# Altium PCB Minion.PcbDoc (part 5 of 10)
Units mm, origin at the board's own origin, x right, y up, seen from the top; angles counter-clockwise.
Board outline 250 x 250 mm, 4 copper layers (Top Layer, Mid-Top Layer, Mid-Bottom Layer, Bottom Layer); 557 components, 153 nets, 5229 pads, 7984 vias.
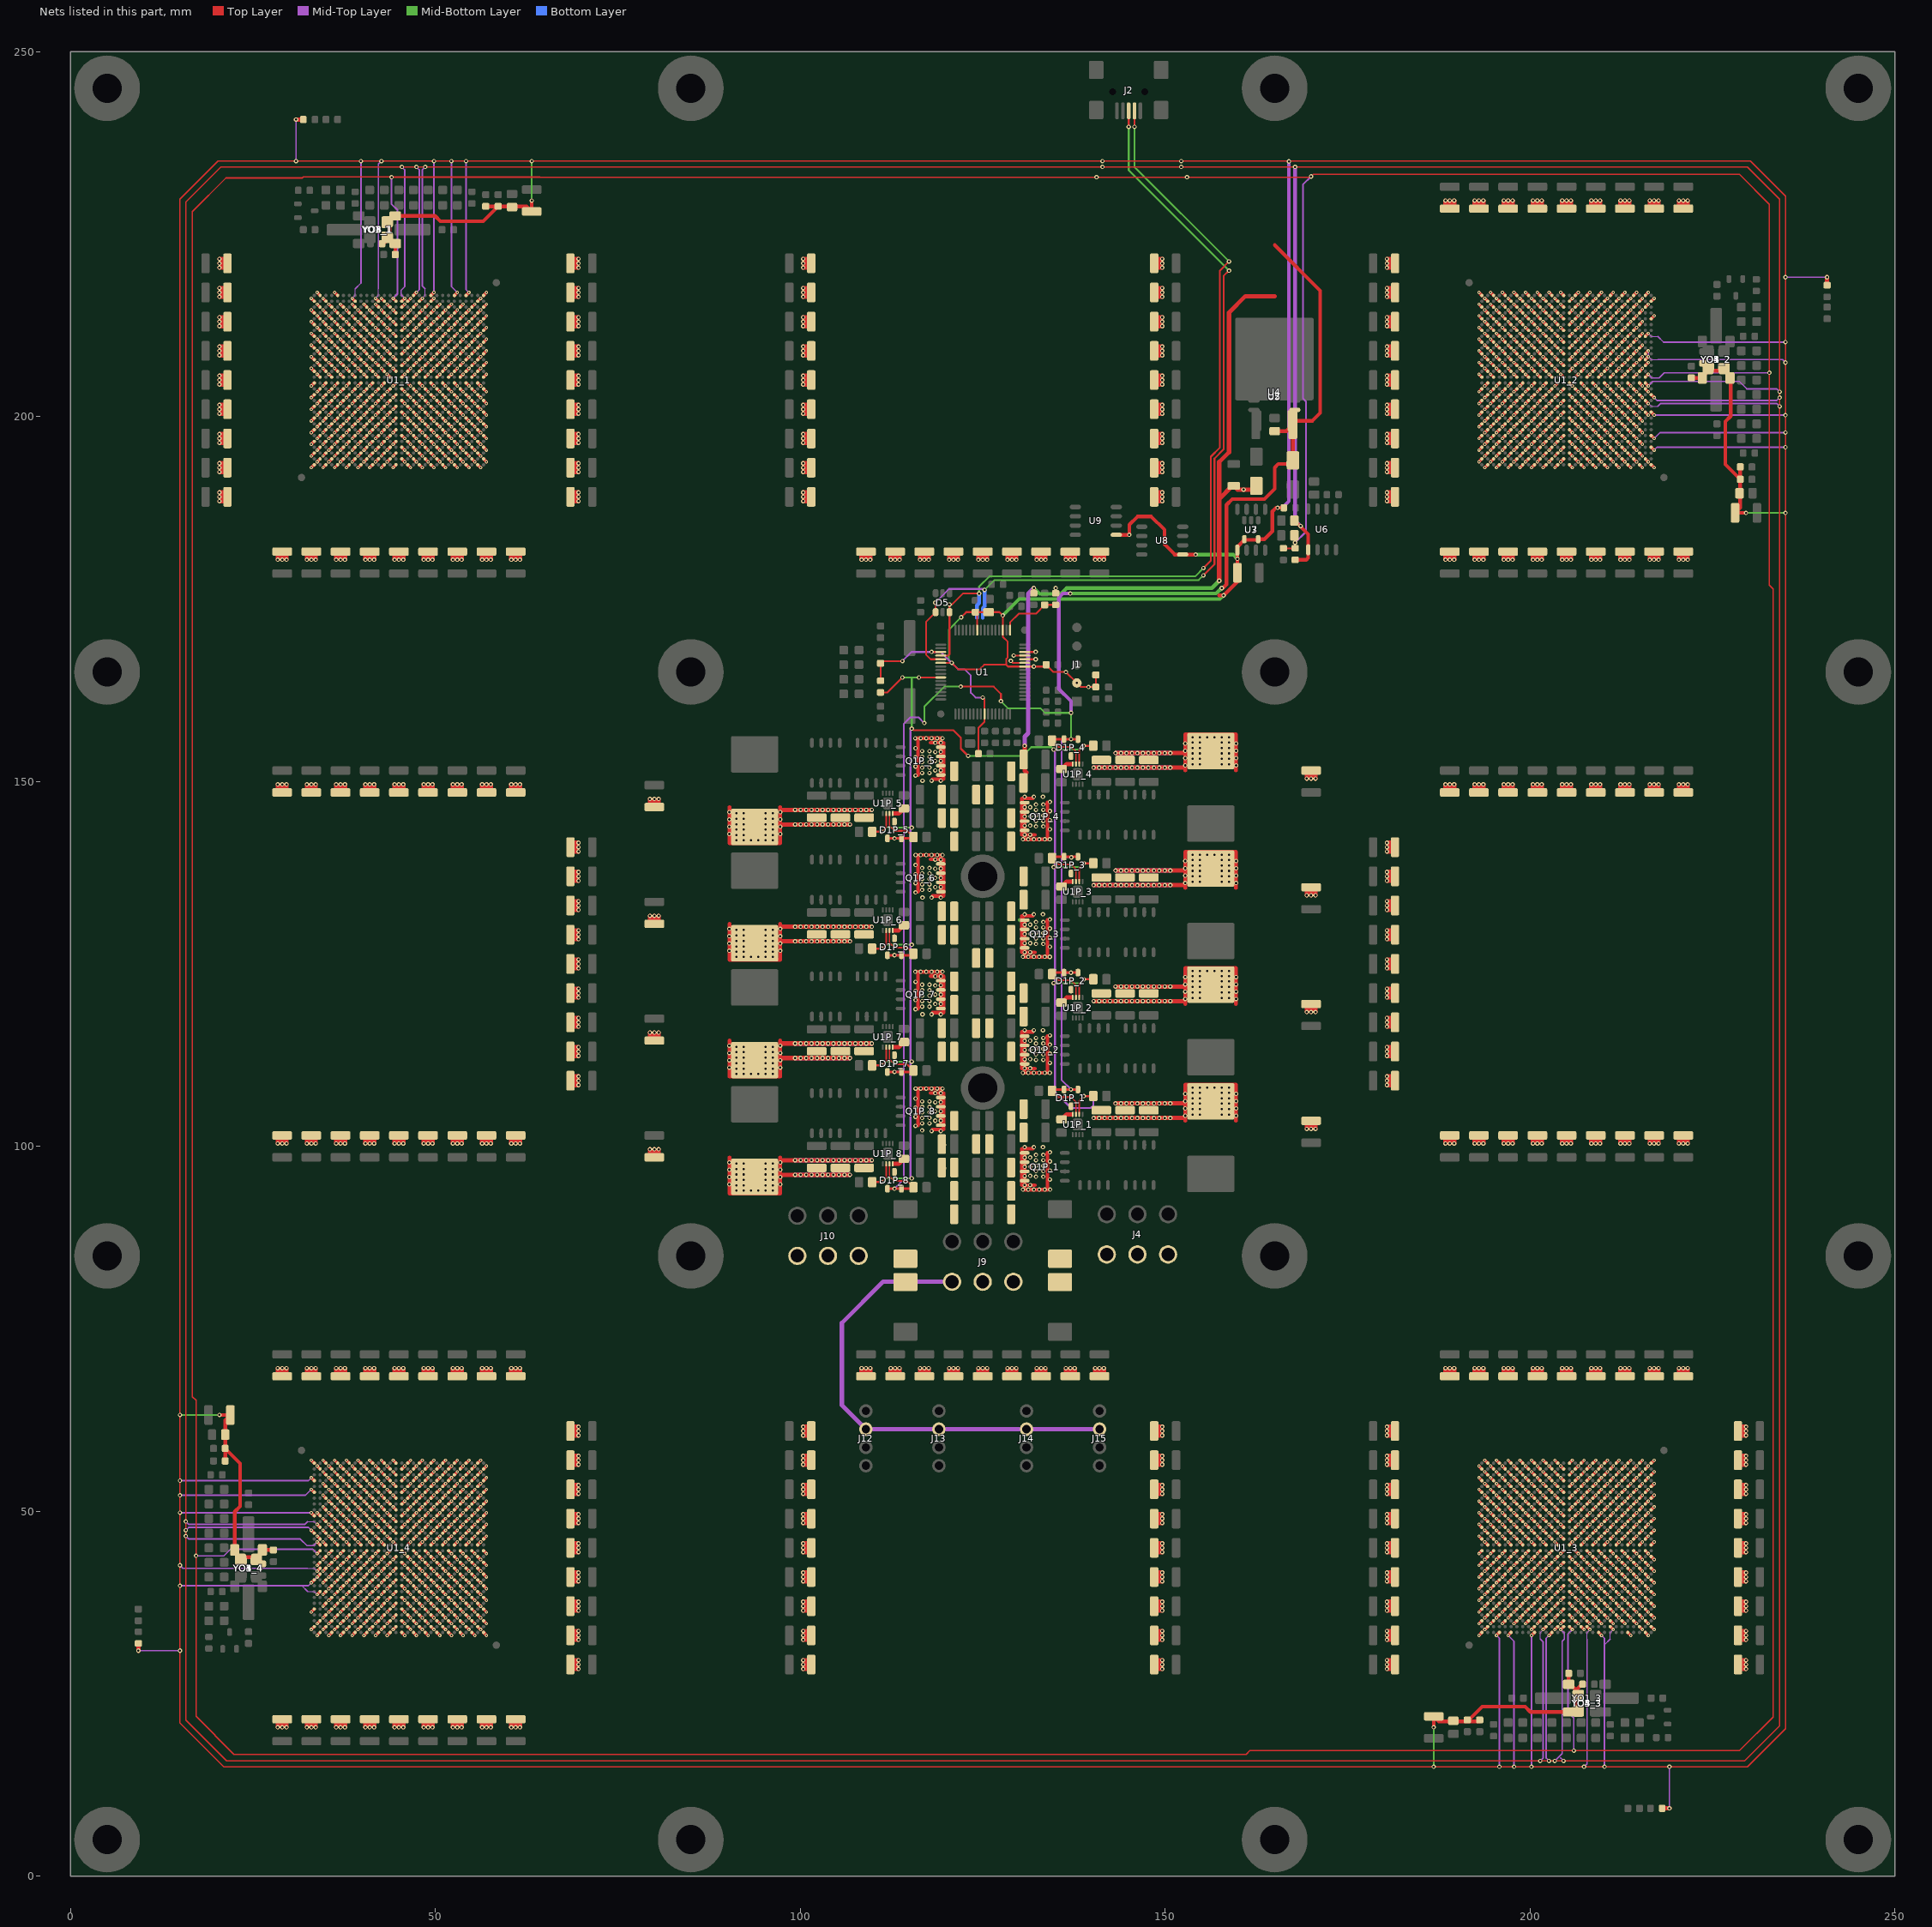
[diagram p7: the nets of this part, all layers, seen from the top]

## Via types
v1: diameter 0.6, hole 0.3, Top Layer to Bottom Layer, tented both sides, 4384 vias
v2: diameter 0.45, hole 0.2, Top Layer to Bottom Layer, tented both sides, 3600 vias

## Nets (pads, with @x,y where several pads share a name; then routed paths per layer and width w, separated by ;. In a path a pad name is that pad's centre, name@x,y a point inside that pad or via, vN(x,y) a via of type N, cw(c..) or ccw(c..) an arc to the next point about the centre after c; other vN are vias at no path point) (continued)
0.8V: (continued)
  other v2: 33.8,33 35.4,33 37,33 38.6,33 40.2,33 41.8,33 43.4,33 45.8,33 47.4,33 49,33 50.6,33 52.2,33 53.8,33 55.4,33 57,33 193,33 213.8,33 216.2,33 33,33.8 34.6,33.8 36.2,33.8 37.8,33.8 39.4,33.8 41,33.8 42.6,33.8 44.2,33.8 46.6,33.8 48.2,33.8 49.8,33.8 51.4,33.8 53,33.8 54.6,33.8 56.2,33.8 193.8,33.8 200.2,33.8 203.4,33.8 207.4,33.8 215.4,33.8 217,33.8 33.8,34.6 35.4,34.6 37,34.6 38.6,34.6 40.2,34.6 41.8,34.6 43.4,34.6 45.8,34.6 47.4,34.6 49,34.6 50.6,34.6 52.2,34.6 53.8,34.6 55.4,34.6 57,34.6 193,34.6 194.6,34.6 196.2,34.6 197.8,34.6 199.4,34.6 201,34.6 202.6,34.6 204.2,34.6 206.6,34.6 208.2,34.6 209.8,34.6 211.4,34.6 213,34.6 214.6,34.6 216.2,34.6 34.6,35.4 36.2,35.4 37.8,35.4 39.4,35.4 41,35.4 42.6,35.4 44.2,35.4 46.6,35.4 48.2,35.4 49.8,35.4 51.4,35.4 53,35.4 54.6,35.4 56.2,35.4 193.8,35.4 195.4,35.4 197,35.4 198.6,35.4 200.2,35.4 201.8,35.4 203.4,35.4 205.8,35.4 207.4,35.4 209,35.4 210.6,35.4 212.2,35.4 213.8,35.4 215.4,35.4 217,35.4 33,36.2 35.4,36.2 37,36.2 38.6,36.2 40.2,36.2 41.8,36.2 43.4,36.2 45.8,36.2 47.4,36.2 49,36.2 50.6,36.2 52.2,36.2 53.8,36.2 55.4,36.2 57,36.2 193,36.2 194.6,36.2 196.2,36.2 197.8,36.2 199.4,36.2 201,36.2 202.6,36.2 204.2,36.2 206.6,36.2 208.2,36.2 209.8,36.2 211.4,36.2 213,36.2 214.6,36.2 216.2,36.2 34.6,37 36.2,37 37.8,37 39.4,37 41,37 42.6,37 44.2,37 46.6,37 48.2,37 49.8,37 51.4,37 53,37 54.6,37 56.2,37 193.8,37 195.4,37 197,37 198.6,37 200.2,37 201.8,37 203.4,37 205.8,37 207.4,37 209,37 210.6,37 212.2,37 213.8,37 215.4,37 217,37 35.4,37.8 37,37.8 38.6,37.8 40.2,37.8 41.8,37.8 43.4,37.8 45.8,37.8 47.4,37.8 49,37.8 50.6,37.8 52.2,37.8 53.8,37.8 55.4,37.8 57,37.8 193,37.8 194.6,37.8 196.2,37.8 197.8,37.8 199.4,37.8 201,37.8 202.6,37.8 204.2,37.8 206.6,37.8 208.2,37.8 209.8,37.8 211.4,37.8 213,37.8 214.6,37.8 216.2,37.8 34.6,38.6 36.2,38.6 37.8,38.6 39.4,38.6 41,38.6 42.6,38.6 44.2,38.6 46.6,38.6 48.2,38.6 49.8,38.6 51.4,38.6 53,38.6 54.6,38.6 56.2,38.6 193.8,38.6 195.4,38.6 197,38.6 198.6,38.6 200.2,38.6 201.8,38.6 203.4,38.6 205.8,38.6 207.4,38.6 209,38.6 210.6,38.6 212.2,38.6 213.8,38.6 215.4,38.6 217,38.6 35.4,39.4 37,39.4 38.6,39.4 40.2,39.4 41.8,39.4 43.4,39.4 45.8,39.4 47.4,39.4 49,39.4 50.6,39.4 52.2,39.4 53.8,39.4 55.4,39.4 57,39.4 193,39.4 194.6,39.4 196.2,39.4 197.8,39.4 199.4,39.4 201,39.4 202.6,39.4 204.2,39.4 206.6,39.4 208.2,39.4 209.8,39.4 211.4,39.4 213,39.4 214.6,39.4 216.2,39.4 34.6,40.2 36.2,40.2 37.8,40.2 39.4,40.2 41,40.2 42.6,40.2 44.2,40.2 46.6,40.2 48.2,40.2 49.8,40.2 51.4,40.2 53,40.2 54.6,40.2 56.2,40.2 193.8,40.2 195.4,40.2 197,40.2 198.6,40.2 200.2,40.2 201.8,40.2 203.4,40.2 205.8,40.2 207.4,40.2 209,40.2 210.6,40.2 212.2,40.2 213.8,40.2 215.4,40.2 217,40.2 35.4,41 37,41 38.6,41 40.2,41 41.8,41 43.4,41 45.8,41 47.4,41 49,41 50.6,41 52.2,41 53.8,41 55.4,41 57,41 193,41 194.6,41 196.2,41 197.8,41 199.4,41 201,41 202.6,41 204.2,41 206.6,41 208.2,41 209.8,41 211.4,41 213,41 214.6,41 216.2,41 34.6,41.8 36.2,41.8 37.8,41.8 39.4,41.8 41,41.8 42.6,41.8 44.2,41.8 46.6,41.8 48.2,41.8 49.8,41.8 51.4,41.8 53,41.8 54.6,41.8 56.2,41.8 193.8,41.8 195.4,41.8 197,41.8 198.6,41.8 200.2,41.8 201.8,41.8 203.4,41.8 205.8,41.8 207.4,41.8 209,41.8 210.6,41.8 212.2,41.8 213.8,41.8 215.4,41.8 217,41.8 33.8,42.6 35.4,42.6 37,42.6 38.6,42.6 40.2,42.6 41.8,42.6 43.4,42.6 45.8,42.6 47.4,42.6 49,42.6 50.6,42.6 52.2,42.6 53.8,42.6 55.4,42.6 57,42.6 193,42.6 194.6,42.6 196.2,42.6 197.8,42.6 199.4,42.6 201,42.6 202.6,42.6 204.2,42.6 206.6,42.6 208.2,42.6 209.8,42.6 211.4,42.6 213,42.6 214.6,42.6 216.2,42.6 34.6,43.4 36.2,43.4 37.8,43.4 39.4,43.4 41,43.4 42.6,43.4 44.2,43.4 46.6,43.4 48.2,43.4 49.8,43.4 51.4,43.4 53,43.4 54.6,43.4 56.2,43.4 193.8,43.4 195.4,43.4 197,43.4 198.6,43.4 200.2,43.4 201.8,43.4 203.4,43.4 205.8,43.4 207.4,43.4 209,43.4 210.6,43.4 212.2,43.4 213.8,43.4 215.4,43.4 217,43.4 35.4,44.2 37,44.2 38.6,44.2 40.2,44.2 41.8,44.2 43.4,44.2 45.8,44.2 47.4,44.2 49,44.2 50.6,44.2 52.2,44.2 53.8,44.2 55.4,44.2 57,44.2 193,44.2 194.6,44.2 196.2,44.2 197.8,44.2 199.4,44.2 201,44.2 202.6,44.2 204.2,44.2 206.6,44.2 208.2,44.2 209.8,44.2 211.4,44.2 213,44.2 214.6,44.2 216.2,44.2 34.6,45.8 36.2,45.8 37.8,45.8 39.4,45.8 41,45.8 42.6,45.8 44.2,45.8 46.6,45.8 48.2,45.8 49.8,45.8 51.4,45.8 53,45.8 54.6,45.8 56.2,45.8 193.8,45.8 195.4,45.8 197,45.8 198.6,45.8 200.2,45.8 201.8,45.8 203.4,45.8 205.8,45.8 207.4,45.8 209,45.8 210.6,45.8 212.2,45.8 213.8,45.8 215.4,45.8 217,45.8 33.8,46.6 35.4,46.6 37,46.6 38.6,46.6 40.2,46.6 41.8,46.6 43.4,46.6 45.8,46.6 47.4,46.6 49,46.6 50.6,46.6 52.2,46.6 53.8,46.6 55.4,46.6 57,46.6 193,46.6 194.6,46.6 196.2,46.6 197.8,46.6 199.4,46.6 201,46.6 202.6,46.6 204.2,46.6 206.6,46.6 208.2,46.6 209.8,46.6 211.4,46.6 213,46.6 214.6,46.6 216.2,46.6 34.6,47.4 36.2,47.4 37.8,47.4 39.4,47.4 41,47.4 42.6,47.4 44.2,47.4 46.6,47.4 48.2,47.4 49.8,47.4 51.4,47.4 53,47.4 54.6,47.4 56.2,47.4 193.8,47.4 195.4,47.4 197,47.4 198.6,47.4 200.2,47.4 201.8,47.4 203.4,47.4 205.8,47.4 207.4,47.4 209,47.4 210.6,47.4 212.2,47.4 213.8,47.4 215.4,47.4 217,47.4 35.4,48.2 37,48.2 38.6,48.2 40.2,48.2 41.8,48.2 43.4,48.2 45.8,48.2 47.4,48.2 49,48.2 50.6,48.2 52.2,48.2 53.8,48.2 55.4,48.2 57,48.2 193,48.2 194.6,48.2 196.2,48.2 197.8,48.2 199.4,48.2 201,48.2 202.6,48.2 204.2,48.2 206.6,48.2 208.2,48.2 209.8,48.2 211.4,48.2 213,48.2 214.6,48.2 216.2,48.2 34.6,49 36.2,49 37.8,49 39.4,49 41,49 42.6,49 44.2,49 46.6,49 48.2,49 49.8,49 51.4,49 53,49 54.6,49 56.2,49 193.8,49 195.4,49 197,49 198.6,49 200.2,49 201.8,49 203.4,49 205.8,49 207.4,49 209,49 210.6,49 212.2,49 213.8,49 215.4,49 217,49 33.8,49.8 35.4,49.8 37,49.8 38.6,49.8 40.2,49.8 41.8,49.8 43.4,49.8 45.8,49.8 47.4,49.8 49,49.8 50.6,49.8 52.2,49.8 53.8,49.8 55.4,49.8 57,49.8 193,49.8 194.6,49.8 196.2,49.8 197.8,49.8 199.4,49.8 201,49.8 202.6,49.8 204.2,49.8 206.6,49.8 208.2,49.8 209.8,49.8 211.4,49.8 213,49.8 214.6,49.8 216.2,49.8 34.6,50.6 36.2,50.6 37.8,50.6 39.4,50.6 41,50.6 42.6,50.6 44.2,50.6 46.6,50.6 48.2,50.6 49.8,50.6 51.4,50.6 53,50.6 54.6,50.6 56.2,50.6 193.8,50.6 195.4,50.6 197,50.6 198.6,50.6 200.2,50.6 201.8,50.6 203.4,50.6 205.8,50.6 207.4,50.6 209,50.6 210.6,50.6 212.2,50.6 213.8,50.6 215.4,50.6 217,50.6 35.4,51.4 37,51.4 38.6,51.4 40.2,51.4 41.8,51.4 43.4,51.4 45.8,51.4 47.4,51.4 49,51.4 50.6,51.4 52.2,51.4 53.8,51.4 55.4,51.4 57,51.4 193,51.4 194.6,51.4 196.2,51.4 197.8,51.4 199.4,51.4 201,51.4 202.6,51.4 204.2,51.4 206.6,51.4 208.2,51.4 209.8,51.4 211.4,51.4 213,51.4 214.6,51.4 216.2,51.4 34.6,52.2 36.2,52.2 37.8,52.2 39.4,52.2 41,52.2 42.6,52.2 44.2,52.2 46.6,52.2 48.2,52.2 49.8,52.2 51.4,52.2 53,52.2 54.6,52.2 56.2,52.2 193.8,52.2 195.4,52.2 197,52.2 198.6,52.2 200.2,52.2 201.8,52.2 203.4,52.2 205.8,52.2 207.4,52.2 209,52.2 210.6,52.2 212.2,52.2 213.8,52.2 215.4,52.2 217,52.2 35.4,53 37,53 38.6,53 40.2,53 41.8,53 43.4,53 45.8,53 47.4,53 49,53 50.6,53 52.2,53 53.8,53 55.4,53 57,53 193,53 194.6,53 196.2,53 197.8,53 199.4,53 201,53 202.6,53 204.2,53 206.6,53 208.2,53 209.8,53 211.4,53 213,53 214.6,53 216.2,53 34.6,53.8 36.2,53.8 37.8,53.8 39.4,53.8 41,53.8 42.6,53.8 44.2,53.8 46.6,53.8 48.2,53.8 49.8,53.8 51.4,53.8 53,53.8 54.6,53.8 56.2,53.8 193.8,53.8 195.4,53.8 197,53.8 198.6,53.8 200.2,53.8 201.8,53.8 203.4,53.8 205.8,53.8 207.4,53.8 209,53.8 210.6,53.8 212.2,53.8 213.8,53.8 215.4,53.8 217,53.8 35.4,54.6 37,54.6 38.6,54.6 40.2,54.6 41.8,54.6 43.4,54.6 45.8,54.6 47.4,54.6 49,54.6 50.6,54.6 52.2,54.6 53.8,54.6 55.4,54.6 57,54.6 193,54.6 194.6,54.6 196.2,54.6 197.8,54.6 199.4,54.6 201,54.6 202.6,54.6 204.2,54.6 206.6,54.6 208.2,54.6 209.8,54.6 211.4,54.6 213,54.6 214.6,54.6 216.2,54.6 34.6,55.4 36.2,55.4 37.8,55.4 39.4,55.4 41,55.4 42.6,55.4 44.2,55.4 46.6,55.4 48.2,55.4 49.8,55.4 51.4,55.4 53,55.4 54.6,55.4 56.2,55.4 193.8,55.4 195.4,55.4 197,55.4 198.6,55.4 200.2,55.4 201.8,55.4 203.4,55.4 205.8,55.4 207.4,55.4 209,55.4 210.6,55.4 212.2,55.4 213.8,55.4 215.4,55.4 217,55.4 33.8,56.2 35.4,56.2 37,56.2 38.6,56.2 40.2,56.2 41.8,56.2 43.4,56.2 45.8,56.2 47.4,56.2 49,56.2 50.6,56.2 52.2,56.2 53.8,56.2 55.4,56.2 57,56.2 193,56.2 194.6,56.2 196.2,56.2 197.8,56.2 199.4,56.2 201,56.2 202.6,56.2 204.2,56.2 206.6,56.2 208.2,56.2 209.8,56.2 211.4,56.2 213,56.2 214.6,56.2 216.2,56.2 33,57 34.6,57 36.2,57 37.8,57 39.4,57 41,57 42.6,57 44.2,57 46.6,57 48.2,57 49.8,57 51.4,57 53,57 54.6,57 56.2,57 193.8,57 195.4,57 197,57 198.6,57 200.2,57 201.8,57 203.4,57 205.8,57 207.4,57 209,57 210.6,57 212.2,57 213.8,57 215.4,57 217,57 33,193 34.6,193 36.2,193 37.8,193 39.4,193 41,193 42.6,193 44.2,193 46.6,193 48.2,193 49.8,193 51.4,193 53,193 54.6,193 56.2,193 193.8,193 195.4,193 197,193 198.6,193 200.2,193 201.8,193 203.4,193 205.8,193 207.4,193 209,193 210.6,193 212.2,193 213.8,193 215.4,193 217,193 33.8,193.8 35.4,193.8 37,193.8 38.6,193.8 40.2,193.8 41.8,193.8 43.4,193.8 45.8,193.8 47.4,193.8 49,193.8 50.6,193.8 52.2,193.8 53.8,193.8 55.4,193.8 57,193.8 193,193.8 194.6,193.8 196.2,193.8 197.8,193.8 199.4,193.8 201,193.8 202.6,193.8 204.2,193.8 206.6,193.8 208.2,193.8 209.8,193.8 211.4,193.8 213,193.8 214.6,193.8 216.2,193.8 33,194.6 34.6,194.6 36.2,194.6 37.8,194.6 39.4,194.6 41,194.6 42.6,194.6 44.2,194.6 46.6,194.6 48.2,194.6 49.8,194.6 51.4,194.6 53,194.6 54.6,194.6 56.2,194.6 193.8,194.6 195.4,194.6 197,194.6 198.6,194.6 200.2,194.6 201.8,194.6 203.4,194.6 205.8,194.6 207.4,194.6 209,194.6 210.6,194.6 212.2,194.6 213.8,194.6 215.4,194.6 33.8,195.4 35.4,195.4 37,195.4 38.6,195.4 40.2,195.4 41.8,195.4 43.4,195.4 45.8,195.4 47.4,195.4 49,195.4 50.6,195.4 52.2,195.4 53.8,195.4 55.4,195.4 57,195.4 193,195.4 194.6,195.4 196.2,195.4 197.8,195.4 199.4,195.4 201,195.4 202.6,195.4 204.2,195.4 206.6,195.4 208.2,195.4 209.8,195.4 211.4,195.4 213,195.4 214.6,195.4 33,196.2 34.6,196.2 36.2,196.2 37.8,196.2 39.4,196.2 41,196.2 42.6,196.2 44.2,196.2 46.6,196.2 48.2,196.2 49.8,196.2 51.4,196.2 53,196.2 54.6,196.2 56.2,196.2 193.8,196.2 195.4,196.2 197,196.2 198.6,196.2 200.2,196.2 201.8,196.2 203.4,196.2 205.8,196.2 207.4,196.2 209,196.2 210.6,196.2 212.2,196.2 213.8,196.2 215.4,196.2 33.8,197 35.4,197 37,197 38.6,197 40.2,197 41.8,197 43.4,197 45.8,197 47.4,197 49,197 50.6,197 52.2,197 53.8,197 55.4,197 57,197 193,197 194.6,197 196.2,197 197.8,197 199.4,197 201,197 202.6,197 204.2,197 206.6,197 208.2,197 209.8,197 211.4,197 213,197 214.6,197 33,197.8 34.6,197.8 36.2,197.8 37.8,197.8 39.4,197.8 41,197.8 42.6,197.8 44.2,197.8 46.6,197.8 48.2,197.8 49.8,197.8 51.4,197.8 53,197.8 54.6,197.8 56.2,197.8 193.8,197.8 195.4,197.8 197,197.8 198.6,197.8 200.2,197.8 201.8,197.8 203.4,197.8 205.8,197.8 207.4,197.8 209,197.8 210.6,197.8 212.2,197.8 213.8,197.8 215.4,197.8 33.8,198.6 35.4,198.6 37,198.6 38.6,198.6 40.2,198.6 41.8,198.6 43.4,198.6 45.8,198.6 47.4,198.6 49,198.6 50.6,198.6 52.2,198.6 53.8,198.6 55.4,198.6 57,198.6 193,198.6 194.6,198.6 196.2,198.6 197.8,198.6 199.4,198.6 201,198.6 202.6,198.6 204.2,198.6 206.6,198.6 208.2,198.6 209.8,198.6 211.4,198.6 213,198.6 214.6,198.6 33,199.4 34.6,199.4 36.2,199.4 37.8,199.4 39.4,199.4 41,199.4 42.6,199.4 44.2,199.4 46.6,199.4 48.2,199.4 49.8,199.4 51.4,199.4 53,199.4 54.6,199.4 56.2,199.4 193.8,199.4 195.4,199.4 197,199.4 198.6,199.4 200.2,199.4 201.8,199.4 203.4,199.4 205.8,199.4 207.4,199.4 209,199.4 210.6,199.4 212.2,199.4 213.8,199.4 215.4,199.4 33.8,200.2 35.4,200.2 37,200.2 38.6,200.2 40.2,200.2 41.8,200.2 43.4,200.2 45.8,200.2 47.4,200.2 49,200.2 50.6,200.2 52.2,200.2 53.8,200.2 55.4,200.2 57,200.2 193,200.2 194.6,200.2 196.2,200.2 197.8,200.2 199.4,200.2 201,200.2 202.6,200.2 204.2,200.2 206.6,200.2 208.2,200.2 209.8,200.2 211.4,200.2 213,200.2 214.6,200.2 216.2,200.2 33,201 34.6,201 36.2,201 37.8,201 39.4,201 41,201 42.6,201 44.2,201 46.6,201 48.2,201 49.8,201 51.4,201 53,201 54.6,201 56.2,201 193.8,201 195.4,201 197,201 198.6,201 200.2,201 201.8,201 203.4,201 205.8,201 207.4,201 209,201 210.6,201 212.2,201 213.8,201 215.4,201 33.8,201.8 35.4,201.8 37,201.8 38.6,201.8 40.2,201.8 41.8,201.8 43.4,201.8 45.8,201.8 47.4,201.8 49,201.8 50.6,201.8 52.2,201.8 53.8,201.8 55.4,201.8 57,201.8 193,201.8 194.6,201.8 196.2,201.8 197.8,201.8 199.4,201.8 201,201.8 202.6,201.8 204.2,201.8 206.6,201.8 208.2,201.8 209.8,201.8 211.4,201.8 213,201.8 214.6,201.8 33,202.6 34.6,202.6 36.2,202.6 37.8,202.6 39.4,202.6 41,202.6 42.6,202.6 44.2,202.6 46.6,202.6 48.2,202.6 49.8,202.6 51.4,202.6 53,202.6 54.6,202.6 56.2,202.6 193.8,202.6 195.4,202.6 197,202.6 198.6,202.6 200.2,202.6 201.8,202.6 203.4,202.6 205.8,202.6 207.4,202.6 209,202.6 210.6,202.6 212.2,202.6 213.8,202.6 215.4,202.6 33.8,203.4 35.4,203.4 37,203.4 38.6,203.4 40.2,203.4 41.8,203.4 43.4,203.4 45.8,203.4 47.4,203.4 49,203.4 50.6,203.4 52.2,203.4 53.8,203.4 55.4,203.4 57,203.4 193,203.4 194.6,203.4 196.2,203.4 197.8,203.4 199.4,203.4 201,203.4 202.6,203.4 204.2,203.4 206.6,203.4 208.2,203.4 209.8,203.4 211.4,203.4 213,203.4 214.6,203.4 216.2,203.4 33,204.2 34.6,204.2 36.2,204.2 37.8,204.2 39.4,204.2 41,204.2 42.6,204.2 44.2,204.2 46.6,204.2 48.2,204.2 49.8,204.2 51.4,204.2 53,204.2 54.6,204.2 56.2,204.2 193.8,204.2 195.4,204.2 197,204.2 198.6,204.2 200.2,204.2 201.8,204.2 203.4,204.2 205.8,204.2 207.4,204.2 209,204.2 210.6,204.2 212.2,204.2 213.8,204.2 215.4,204.2 33.8,205.8 35.4,205.8 37,205.8 38.6,205.8 40.2,205.8 41.8,205.8 43.4,205.8 45.8,205.8 47.4,205.8 49,205.8 50.6,205.8 52.2,205.8 53.8,205.8 55.4,205.8 57,205.8 193,205.8 194.6,205.8 196.2,205.8 197.8,205.8 199.4,205.8 201,205.8 202.6,205.8 204.2,205.8 206.6,205.8 208.2,205.8 209.8,205.8 211.4,205.8 213,205.8 214.6,205.8 33,206.6 34.6,206.6 36.2,206.6 37.8,206.6 39.4,206.6 41,206.6 42.6,206.6 44.2,206.6 46.6,206.6 48.2,206.6 49.8,206.6 51.4,206.6 53,206.6 54.6,206.6 56.2,206.6 193.8,206.6 195.4,206.6 197,206.6 198.6,206.6 200.2,206.6 201.8,206.6 203.4,206.6 205.8,206.6 207.4,206.6 209,206.6 210.6,206.6 212.2,206.6 213.8,206.6 215.4,206.6 33.8,207.4 35.4,207.4 37,207.4 38.6,207.4 40.2,207.4 41.8,207.4 43.4,207.4 45.8,207.4 47.4,207.4 49,207.4 50.6,207.4 52.2,207.4 53.8,207.4 55.4,207.4 57,207.4 193,207.4 194.6,207.4 196.2,207.4 197.8,207.4 199.4,207.4 201,207.4 202.6,207.4 204.2,207.4 206.6,207.4 208.2,207.4 209.8,207.4 211.4,207.4 213,207.4 214.6,207.4 216.2,207.4 33,208.2 34.6,208.2 36.2,208.2 37.8,208.2 39.4,208.2 41,208.2 42.6,208.2 44.2,208.2 46.6,208.2 48.2,208.2 49.8,208.2 51.4,208.2 53,208.2 54.6,208.2 56.2,208.2 193.8,208.2 195.4,208.2 197,208.2 198.6,208.2 200.2,208.2 201.8,208.2 203.4,208.2 205.8,208.2 207.4,208.2 209,208.2 210.6,208.2 212.2,208.2 213.8,208.2 215.4,208.2 33.8,209 35.4,209 37,209 38.6,209 40.2,209 41.8,209 43.4,209 45.8,209 47.4,209 49,209 50.6,209 52.2,209 53.8,209 55.4,209 57,209 193,209 194.6,209 196.2,209 197.8,209 199.4,209 201,209 202.6,209 204.2,209 206.6,209 208.2,209 209.8,209 211.4,209 213,209 214.6,209 33,209.8 34.6,209.8 36.2,209.8 37.8,209.8 39.4,209.8 41,209.8 42.6,209.8 44.2,209.8 46.6,209.8 48.2,209.8 49.8,209.8 51.4,209.8 53,209.8 54.6,209.8 56.2,209.8 193.8,209.8 195.4,209.8 197,209.8 198.6,209.8 200.2,209.8 201.8,209.8 203.4,209.8 205.8,209.8 207.4,209.8 209,209.8 210.6,209.8 212.2,209.8 213.8,209.8 215.4,209.8 33.8,210.6 35.4,210.6 37,210.6 38.6,210.6 40.2,210.6 41.8,210.6 43.4,210.6 45.8,210.6 47.4,210.6 49,210.6 50.6,210.6 52.2,210.6 53.8,210.6 55.4,210.6 57,210.6 193,210.6 194.6,210.6 196.2,210.6 197.8,210.6 199.4,210.6 201,210.6 202.6,210.6 204.2,210.6 206.6,210.6 208.2,210.6 209.8,210.6 211.4,210.6 213,210.6 214.6,210.6 33,211.4 34.6,211.4 36.2,211.4 37.8,211.4 39.4,211.4 41,211.4 42.6,211.4 44.2,211.4 46.6,211.4 48.2,211.4 49.8,211.4 51.4,211.4 53,211.4 54.6,211.4 56.2,211.4 193.8,211.4 195.4,211.4 197,211.4 198.6,211.4 200.2,211.4 201.8,211.4 203.4,211.4 205.8,211.4 207.4,211.4 209,211.4 210.6,211.4 212.2,211.4 213.8,211.4 215.4,211.4 33.8,212.2 35.4,212.2 37,212.2 38.6,212.2 40.2,212.2 41.8,212.2 43.4,212.2 45.8,212.2 47.4,212.2 49,212.2 50.6,212.2 52.2,212.2 53.8,212.2 55.4,212.2 57,212.2 193,212.2 194.6,212.2 196.2,212.2 197.8,212.2 199.4,212.2 201,212.2 202.6,212.2 204.2,212.2 206.6,212.2 208.2,212.2 209.8,212.2 211.4,212.2 213,212.2 214.6,212.2 33,213 34.6,213 36.2,213 37.8,213 39.4,213 41,213 42.6,213 44.2,213 46.6,213 48.2,213 49.8,213 51.4,213 53,213 54.6,213 56.2,213 193.8,213 195.4,213 197,213 198.6,213 200.2,213 201.8,213 203.4,213 205.8,213 207.4,213 209,213 210.6,213 212.2,213 213.8,213 215.4,213 33.8,213.8 35.4,213.8 37,213.8 38.6,213.8 40.2,213.8 41.8,213.8 43.4,213.8 45.8,213.8 47.4,213.8 49,213.8 50.6,213.8 52.2,213.8 53.8,213.8 55.4,213.8 57,213.8 193,213.8 194.6,213.8 196.2,213.8 197.8,213.8 199.4,213.8 201,213.8 202.6,213.8 204.2,213.8 206.6,213.8 208.2,213.8 209.8,213.8 211.4,213.8 213,213.8 214.6,213.8 217,213.8 33,214.6 34.6,214.6 36.2,214.6 37.8,214.6 39.4,214.6 41,214.6 42.6,214.6 44.2,214.6 46.6,214.6 48.2,214.6 49.8,214.6 51.4,214.6 53,214.6 54.6,214.6 56.2,214.6 193.8,214.6 195.4,214.6 197,214.6 198.6,214.6 200.2,214.6 201.8,214.6 203.4,214.6 205.8,214.6 207.4,214.6 209,214.6 210.6,214.6 212.2,214.6 213.8,214.6 215.4,214.6 33.8,215.4 35.4,215.4 37,215.4 38.6,215.4 40.2,215.4 41.8,215.4 43.4,215.4 45.8,215.4 47.4,215.4 49,215.4 50.6,215.4 52.2,215.4 53.8,215.4 55.4,215.4 57,215.4 193,215.4 194.6,215.4 196.2,215.4 197.8,215.4 199.4,215.4 201,215.4 202.6,215.4 204.2,215.4 206.6,215.4 208.2,215.4 209.8,215.4 211.4,215.4 213,215.4 214.6,215.4 216.2,215.4 33,216.2 34.6,216.2 42.6,216.2 46.6,216.2 49.8,216.2 56.2,216.2 193.8,216.2 195.4,216.2 197,216.2 198.6,216.2 200.2,216.2 201.8,216.2 203.4,216.2 205.8,216.2 207.4,216.2 209,216.2 210.6,216.2 212.2,216.2 213.8,216.2 215.4,216.2 217,216.2 33.8,217 36.2,217 57,217 193,217 194.6,217 196.2,217 197.8,217 199.4,217 201,217 202.6,217 204.2,217 206.6,217 208.2,217 209.8,217 211.4,217 213,217 214.6,217 216.2,217